# Altium PCB GBA_V1.PcbDoc (part 4 of 4)
Units mm, origin at the board's own origin, x right, y up, seen from the top; angles counter-clockwise.
Board outline 130.69 x 72.26 mm, 4 copper layers (Top Copper, Signal Layer 1, Signal Layer 2, Bottom Copper), stack 1.169 mm thick; 185 components, 167 nets, 812 pads, 417 vias.
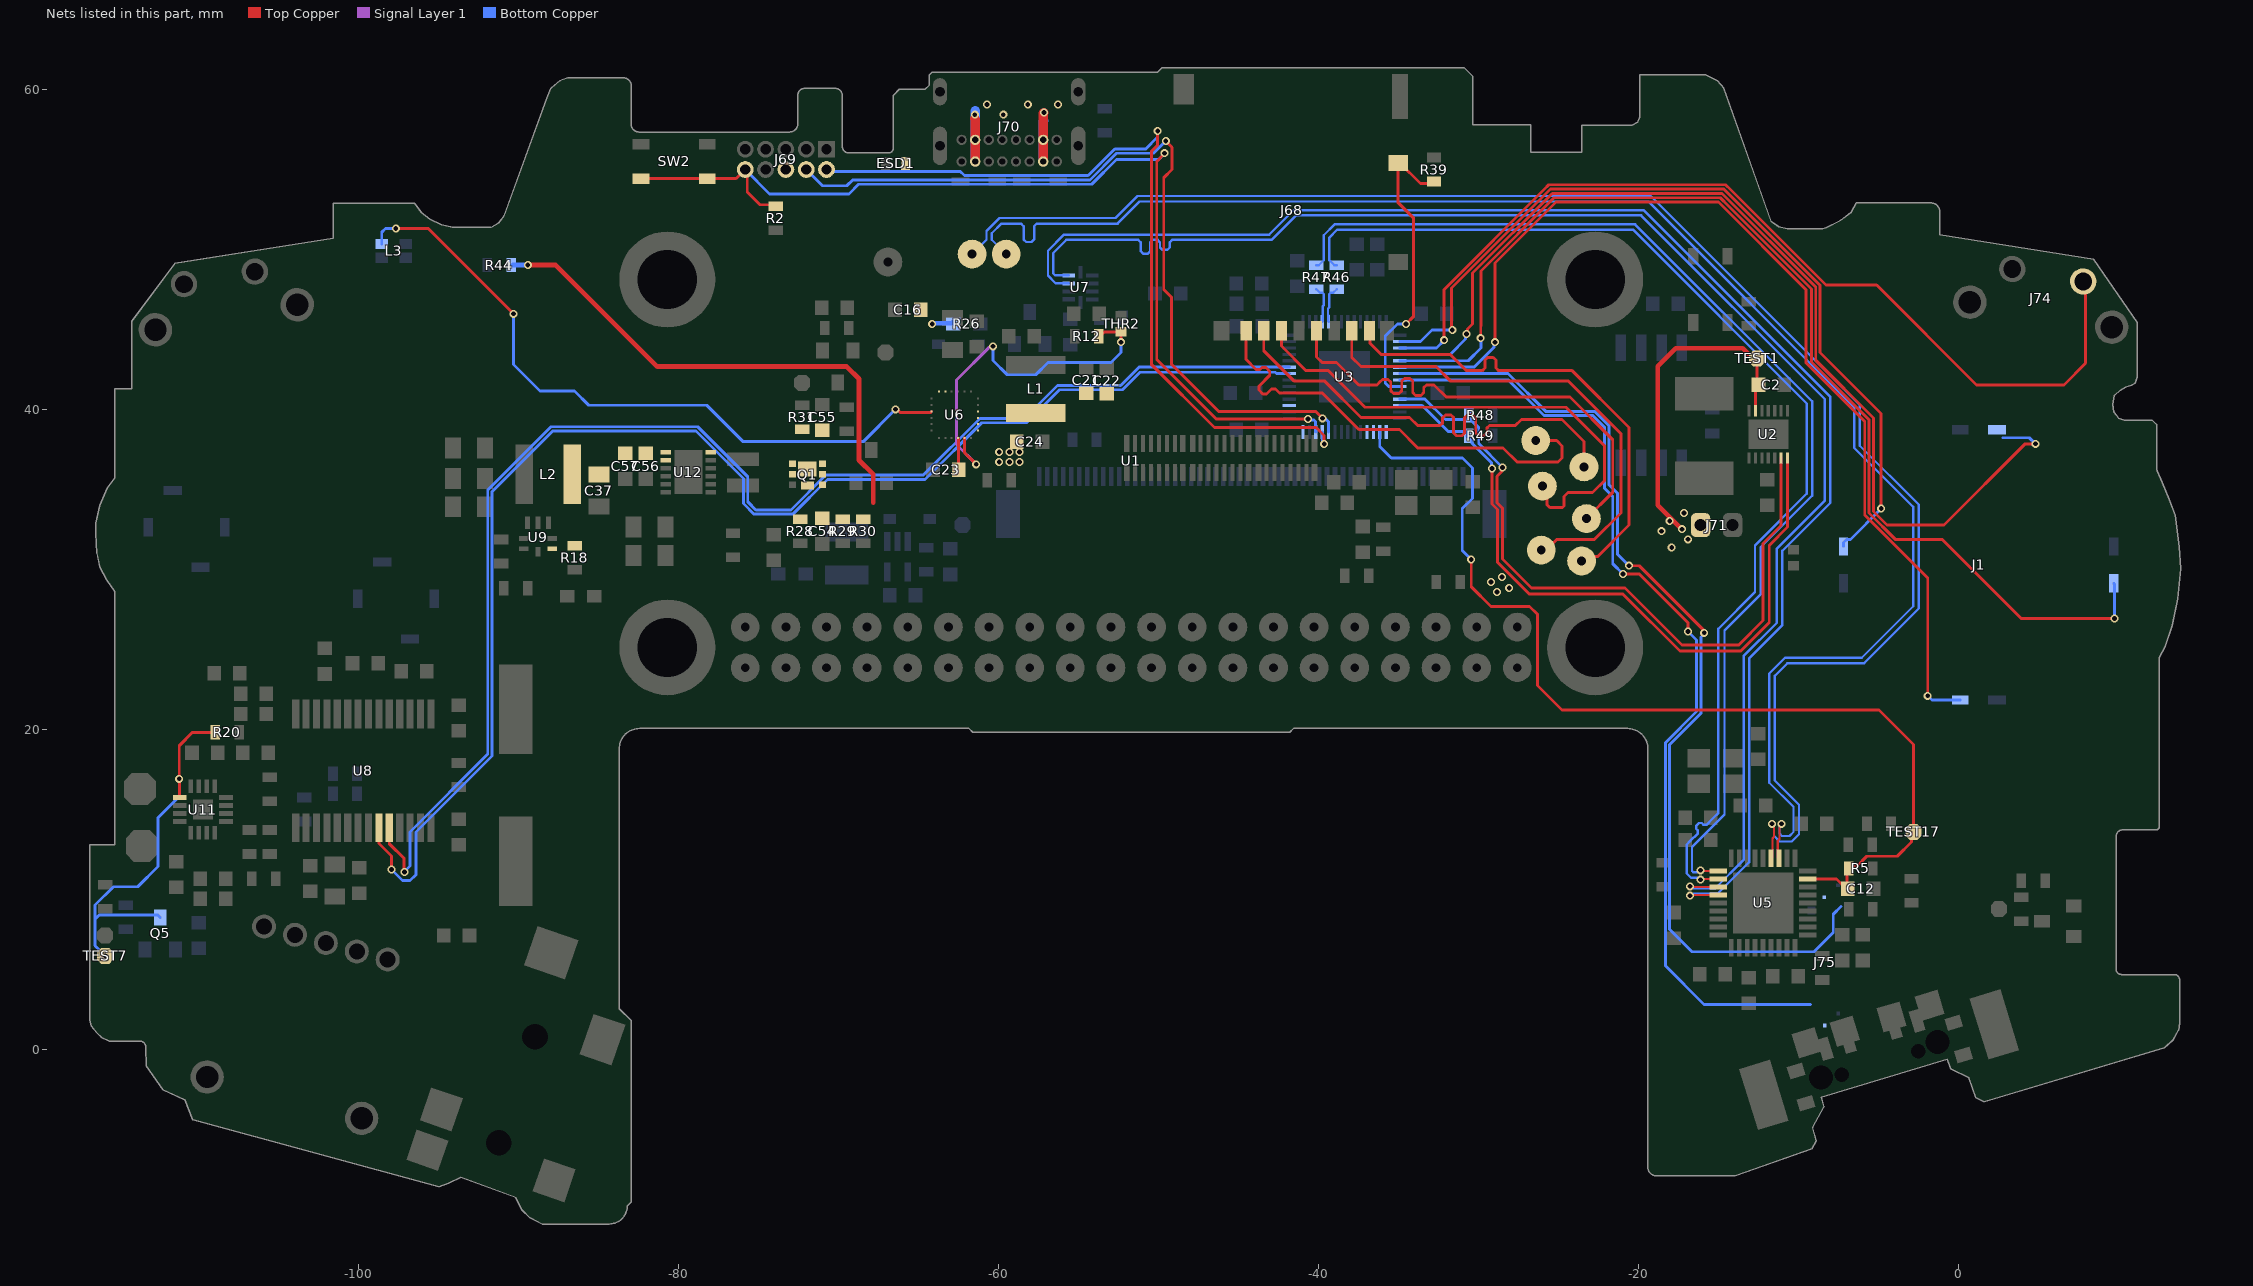
[diagram p6: the nets of this part, all layers, seen from the top]

## Via types
v1: diameter 0.5/0.5/0.5/0.5 (per signal layer), hole 0.3, Top Copper to Bottom Copper, tented both sides, 284 vias
v2: diameter 0.5, hole 0.3, Top Copper to Bottom Copper, tented both sides, 128 vias
v3: diameter 0.5/0.5/0.5/0.5 (per signal layer), hole 0.3, Top Copper to Bottom Copper, 5 vias

## Nets (pads, with @x,y where several pads share a name; then routed paths per layer and width w, separated by ;. In a path a pad name is that pad's centre, name@x,y a point inside that pad or via, vN(x,y) a via of type N, cw(c..) or ccw(c..) an arc to the next point about the centre after c; other vN are vias at no path point) (continued)
RPI_GPIO0: J1.RIGHT U3.2 | length 53.3
  Top Copper w0.18: v2(-31.623,44.958) -31.664,44.999 -31.664,47.587 -25.482,53.769 -14.65,53.769 -14.126,53.245 -8.636,47.755 -8.636,43.561 -4.826,39.751 -4.826,33.809 v1(-4.812,33.796)
  Bottom Copper w0.18: U3.2@-34.904,44.237 -33.614,44.237 -32.893,44.958 v2(-31.623,44.958) ; J1.RIGHT@-7.168,31.44 -7.168,31.677 -6.971,31.875 -6.733,31.875 v1(-4.812,33.796)
RPI_GPIO1: J74.SW U3.3 | length 59.7
  Top Copper w0.18: v2(-32.131,44.323) -32.131,47.501 -25.895,53.737 -25.593,54.039 -14.539,54.039 -14.237,53.737 -8.268,47.768 -5.096,47.768 1.143,41.529 6.604,41.529 7.963,42.888 J74.SW@7.963,47.84
  Bottom Copper w0.18: U3.3@-34.904,43.837 -32.617,43.837 v2(-32.131,44.323)
RPI_GPIO2: J1.UP U3.4 | length 65
  Top Copper w0.18: v2(-30.734,44.704) -30.673,44.765 -30.673,45.019 -30.353,45.339 -30.353,48.516 -25.37,53.499 -14.762,53.499 -8.906,47.643 -8.906,43.071 -5.302,39.467 -5.302,33.625 -4.443,32.766 -0.889,32.766 4.191,37.846 v1(4.826,37.846)
  Bottom Copper w0.18: U3.4@-34.904,43.437 -31.747,43.437 -30.795,44.389 -30.795,44.643 v2(-30.734,44.704) ; 2.794,38.227 4.445,38.227 v1(4.826,37.846)
RPI_GPIO3: J1.LEFT U3.5 | length 71
  Top Copper w0.18: v2(-29.845,44.45) -29.845,45.211 -29.83,45.226 -29.83,48.657 -25.258,53.229 -14.874,53.229 -14.35,52.705 -9.176,47.531 -9.176,42.959 -5.572,39.355 -5.572,33.513 -3.936,31.877 -1.016,31.877 3.937,26.924 v1(9.779,26.924)
  Bottom Copper w0.18: U3.5@-34.904,43.037 -30.623,43.037 -29.82,43.84 -29.82,44.425 v2(-29.845,44.45) ; J1.LEFT@9.72,29.128 9.779,29.069 v1(9.779,26.924)
RPI_GPIO4: J1.DOWN U3.6 | length 65.7
  Top Copper w0.18: v2(-28.956,44.196) -28.956,49.149 -25.146,52.959 -14.986,52.959 -9.525,47.498 -9.525,42.926 -5.842,39.243 -5.842,33.401 -1.905,29.464 v1(-1.905,22.098)
  Bottom Copper w0.18: U3.6@-34.904,42.637 -30.261,42.637 -29.017,43.881 -29.017,44.135 v2(-28.956,44.196) ; v1(-1.905,22.098) -1.64,21.833 J1.DOWN@0.127,21.833
RPI_GPIO5: J75.STR U3.7 | length 62.8
  Top Copper w0.18: v2(-20.574,30.226) -19.938,30.226 -15.936,26.224 -15.936,26.096 v1(-15.875,26.035)
  Bottom Copper w0.18: U3.7@-34.904,42.237 -28.139,42.237 -25.78,39.878 -22.733,39.878 -21.828,38.973 -21.828,35.29 -21.292,34.754 -21.292,30.944 v2(-20.574,30.226) ; v1(-15.875,26.035) -15.875,25.976 -16.081,25.77 -16.081,21.003 -18.034,19.05 -18.034,7.493 -16.637,6.096 -9.017,6.096 -7.811,7.302 -7.811,8.445 -7.328,8.928
RPI_GPIO6: J75.SEL U3.8 | length 61.5
  Top Copper w0.18: v2(-20.955,29.718) -19.939,29.718 -16.883,26.662 v1(-16.883,26.107)
  Bottom Copper w0.18: U3.8@-34.904,41.837 -28.121,41.837 -25.892,39.608 -22.845,39.608 -22.098,38.861 -22.098,35.052 -21.59,34.544 -21.59,30.353 v2(-20.955,29.718) ; v1(-16.883,26.107) -16.351,25.575 -16.351,21.115 -18.304,19.162 -18.304,5.223 -15.888,2.807 -10.195,2.807 -9.224,2.807
RPI_GPIO7: J68.9 R39.2 U3.9 | length 19
  Top Copper w0.18: v2(-34.513,45.339) -34.036,45.816 -34.036,51.943 -35.006,52.913 J68.9@-35.006,55.409 -34.906,55.409 -33.617,54.12 -32.787,54.12 R39.2@-32.766,54.141
  Bottom Copper w0.18: U3.9@-34.904,41.437 -35.595,41.437 -35.814,41.656 -35.814,44.577 -35.052,45.339 v2(-34.513,45.339)
RPI_GPIO8: R48.1 U2.13 U3.11 | length 44.7
  Top Copper w0.18: v2(-28.483,36.368) -28.545,36.306 -28.545,36.098 -28.829,35.814 -28.829,34.161 -28.483,33.815 -28.483,30.642 -26.67,28.829 -20.828,28.829 -17.272,25.273 -13.717,25.273 -12.192,26.798 -12.192,31.623 -11.068,32.747 U2.13@-11.068,36.957
  Bottom Copper w0.18: U3.11@-34.904,40.637 -33.321,40.637 -32.054,39.37 -30.805,39.37 -30.648,39.527 -30.595,39.58 R48.1@-30.595,39.624 ; R48.1@-30.598,39.477 -29.972,38.851 -29.972,37.856 v2(-28.483,36.368)
RPI_GPIO9: R49.1 U2.14 U3.12 | length 44.6
  Top Copper w0.18: v2(-29.144,36.295) -29.144,34.093 -28.788,33.737 -28.788,30.439 -26.797,28.448 -20.955,28.448 -17.399,24.892 -13.589,24.892 -11.811,26.67 -11.811,31.496 -10.668,32.639 U2.14@-10.668,36.957
  Bottom Copper w0.18: U3.12@-34.904,40.237 -33.506,40.237 -31.877,38.608 -30.805,38.608 -30.695,38.498 R49.1@-30.695,38.304 ; R49.1@-30.595,38.354 -30.385,38.144 -30.385,37.878 -29.161,36.654 -29.161,36.312 v2(-29.144,36.295)
RPI_GPIO12: U3.15
RPI_GPIO13: C12.1 R5.1 TEST17.1 U3.16 U5.26 | length 64.3
  Top Copper w0.18: v2(-30.439,30.607) -30.439,28.914 -29.203,27.678 -26.79,27.678 -26.305,27.193 -26.305,22.749 -24.765,21.209 -4.953,21.209 -2.794,19.05 TEST17.1@-2.794,13.589 -2.926,13.457 -2.926,12.949 -3.81,12.065 -5.715,12.065 -6.331,11.449 -6.8,11.449 -6.946,11.303 -6.946,10.033 -6.996,10.033 -7.607,10.644 U5.26@-9.392,10.644
  Bottom Copper w0.18: U3.16@-36.154,38.587 -36.154,37.678 -35.433,36.957 -30.988,36.957 -30.369,36.338 -30.369,34.433 -31.004,33.798 -31.004,31.172 v2(-30.439,30.607)
RPI_GPIO14: U3.17
RPI_GPIO15: U3.18
RPI_GPIO17: U3.28
RPI_GPIO20: U3.31
RPI_GPIO24: U3.36 U8.23 | length 89.1
  Top Copper w0.18: U8.23@-98.72,13.976 U8.23@-98.72,13.849 -98.72,12.868 -97.938,12.086 v1(-97.938,11.231)
  Bottom Copper w0.18: v1(-97.938,11.231) -97.248,10.541 -96.775,10.541 -96.407,10.909 -96.407,13.576 -91.646,18.337 -91.646,34.848 -87.854,38.64 -78.897,38.64 -75.93,35.673 -75.93,34.11 -75.269,33.449 -72.853,33.449 -70.678,35.624 -64.575,35.624 -61.036,39.163 -58.25,39.163 -56.185,41.228 -52.24,41.228 -51.145,42.323 -42.703,42.323 -42.617,42.237 U3.36@-41.804,42.237
RPI_GPIO25: U3.37 U8.24 | length 87.8
  Top Copper w0.18: U8.24@-98.07,13.976 U8.24@-98.07,13.849 -98.07,12.853 -97.155,11.938 -97.155,11.109 v1(-97.125,11.079)
  Bottom Copper w0.18: v1(-97.125,11.079) -97.125,11.112 -96.774,11.463 -96.774,13.591 -91.916,18.449 -91.916,34.96 -87.966,38.91 -78.785,38.91 -75.66,35.785 -75.66,34.222 -75.157,33.719 -72.965,33.719 -70.79,35.894 -64.687,35.894 -61.148,39.433 -58.362,39.433 -56.297,41.498 -52.352,41.498 -51.213,42.637 U3.37@-41.804,42.637
RPI_USB_N: U1.DM U5.30 | length 102.9
  Top Copper w0.14: U5.30@-11.192,11.944 -11.272,12.024 -11.272,13.041 -11.174,13.139 -11.174,13.972 v2(-11.049,14.097)
  Bottom Copper w0.14: -11.811,23.461 -11.811,16.665 -10.287,15.141 -10.287,13.589 -10.541,13.335 -11.028,13.335 -11.174,13.481 -11.174,13.875 -11.049,14 v2(-11.049,14.097)
  Bottom Copper w0.15: U1.DM@-59.509,49.702 -60.409,50.602 -60.409,51.011 -59.807,51.613 -59.318,51.613 -58.584,51.613 -58.42,51.449 -58.42,50.624 -58.256,50.46 -57.926,50.46 -57.762,50.624 -57.762,51.449 -57.598,51.613 -57.286,51.613 -52.544,51.613 -51.164,52.992 -19.362,52.992 -6.494,40.125 -6.494,37.585 -2.812,33.902 -2.812,27.693 -6.027,24.478 -10.819,24.478 -11.811,23.485 -11.811,23.461
RPI_USB_P: U1.DP U5.31 | length 103.2
  Top Copper w0.14: U5.31@-11.692,11.944 -11.612,12.024 -11.612,12.506 -11.612,13.182 -11.514,13.28 -11.514,13.972 v2(-11.639,14.097)
  Bottom Copper w0.14: v2(-11.639,14.097) -11.639,14 -11.514,13.875 -11.514,13.34 -11.169,12.995 -10.4,12.995 -9.947,13.448 -9.947,15.281 -11.471,16.805 -11.471,23.329 -11.466,23.334
  Bottom Copper w0.15: U1.DP@-61.639,49.702 -60.739,50.602 -60.739,51.148 -59.924,51.963 -52.681,51.963 -51.307,53.337 -19.219,53.337 -6.149,40.268 -6.149,37.728 -2.467,34.045 -2.467,27.55 -5.884,24.133 -10.676,24.133 -11.466,23.343 -11.466,23.334
RST_MCU: J69.10 R2.1 SW2.1 SW2.2 U3.26 | length 63
  Top Copper w0.18: SW2.2@-81.831,54.424 -76.386,54.424 J69.10@-75.819,54.991 -75.691,54.863 -75.691,53.593 -74.891,52.793 R2.1@-73.914,52.793 ; v1(-49.607,56.014) -49.607,55.985 -50.099,55.493 -50.099,43.114 -46.374,39.389 v2(-40.64,39.389)
  Bottom Copper w0.18: J69.10@-75.819,54.991 -74.295,53.467 -69.342,53.467 -68.739,54.07 -54.16,54.07 -52.604,55.626 -49.966,55.626 -49.607,55.985 v1(-49.607,56.014) ; v2(-40.64,39.389) -40.579,39.328 -40.269,39.328 -40.164,39.222 -40.164,38.597 U3.26@-40.154,38.587
SDX_CLK: J68.5 U1.CLK | length 30.8
  Top Copper w0.18: J68.5@-40.106,44.909 -40.106,43.281 -39.751,42.926 -38.862,42.926 -37.465,41.529 -36.607,41.529 -36.333,41.529 -36.161,41.701 -35.989,41.873 -35.645,41.873 -35.473,41.701 -35.473,41.168 -35.301,40.996 -34.957,40.996 -34.785,41.168 -34.785,41.767 -34.613,41.939 -34.269,41.939 -34.097,41.767 -34.097,41.046 -33.925,40.874 -33.581,40.874 -33.409,41.046 -33.409,41.357 -33.237,41.529 -33.147,41.529 -32.766,41.529 -32.004,40.767 -24.257,40.767 -21.59,38.1 -21.59,34.821 U1.CLK@-23.239,33.172
SDX_CMD: J68.3 U1.CMD | length 31.9
  Top Copper w0.18: J68.3@-42.306,44.909 -42.306,43.957 -40.767,42.418 -39.37,42.418 -37.084,40.132 -24.511,40.132 -22.098,37.719 -22.098,35.56 -22.86,34.798 -24.384,34.798 -24.638,34.544 -24.638,33.968 -24.743,33.863 -25.527,33.863 -25.696,34.032 -25.696,34.909 U1.CMD@-25.989,35.202
SDX_D0: J68.7 U1.DAT0 | length 31.4
  Top Copper w0.18: J68.7@-37.906,44.909 -37.906,43.24 -37.338,42.672 -32.639,42.672 -31.75,41.783 -24.384,41.783 -21.082,38.481 -21.082,33.528 -22.733,31.877 -25.079,31.877 -25.754,31.202 U1.DAT0@-26.059,31.202
SDX_D1: J68.8 U1.DAT1 | length 30.4
  Top Copper w0.18: J68.8@-36.806,44.909 -36.778,44.881 -36.778,44.144 -36.068,43.434 -31.75,43.434 -30.734,42.418 -29.845,42.418 -29.755,42.418 -29.583,42.59 -29.583,43.076 -29.411,43.248 -29.067,43.248 -28.895,43.076 -28.895,42.59 -28.723,42.418 -27.686,42.418 -24.13,42.418 -20.574,38.862 -20.574,32.766 -22.531,30.809 -23.252,30.809 U1.DAT1@-23.539,30.522
SDX_D2: J68.1 U1.DAT2 | length 28.9
  Top Copper w0.18: J68.1@-44.506,44.909 -44.506,43.886 -44.506,43.109 -43.888,42.491 -43.645,42.491 -43.52,42.616 -43.277,42.616 -43.034,42.373 -43.034,42.13 -43.715,41.449 -43.715,41.205 -43.472,40.962 -43.228,40.962 -42.915,41.275 -42.672,41.275 -42.608,41.212 -42.418,41.021 -39.751,41.021 -37.465,38.735 -34.925,38.735 -33.782,37.592 -28.448,37.592 -27.559,36.703 -25.019,36.703 -24.765,36.957 -24.765,37.719 -25.098,38.052 U1.DAT2@-26.409,38.052
SDX_D3: J68.2 U1.DAT3 | length 29.7
  Top Copper w0.18: J68.2@-43.406,44.909 -43.406,43.66 -41.529,41.783 -39.624,41.783 -37.338,39.497 -34.29,39.497 -33.782,38.989 -32.512,38.989 -32.396,38.989 -32.224,39.161 -32.224,39.476 -32.052,39.648 -31.708,39.648 -31.536,39.476 -31.536,38.523 -31.364,38.351 -31.02,38.351 -30.848,38.523 -30.848,39.476 -30.676,39.648 -30.332,39.648 -30.16,39.476 -30.16,38.523 -29.988,38.351 -29.644,38.351 -29.472,38.523 -29.472,38.817 -29.3,38.989 -29.21,38.989 -27.686,38.989 -27.305,39.37 -24.765,39.37 -23.389,37.994 U1.DAT3@-23.389,36.402
SHT_AMPLIFIER: Q5.3 R20.1 TEST7.1 U11.1 | length 24.5
  Top Copper w0.18: U11.1@-111.178,15.736 -111.178,16.883 v2(-111.2,16.905) -111.2,18.975 -110.363,19.812 R20.1@-108.954,19.812
  Bottom Copper w0.18: v2(-115.824,5.842) -116.459,6.477 -116.459,8.128 ; Q5.3@-112.387,8.239 -112.53,8.382 -116.205,8.382 -116.459,8.128 ; v2(-111.2,16.905) -111.2,15.8 -112.522,14.478 -112.522,11.43 -113.792,10.16 -115.316,10.16 -116.459,9.017 -116.459,8.128
STAT: L3.2 U6.3 | length 43.5
  Top Copper w0.18: v1(-97.663,51.308) -95.631,51.308 v1(-90.297,45.974) ; v1(-66.421,40.005) -66.334,40.005 -66.121,39.792 -64.251,39.792 U6.3@-64.172,39.871
  Bottom Copper w0.18: L3.2@-98.54,50.336 -98.54,51.066 -98.298,51.308 v1(-97.663,51.308) ; v1(-90.297,45.974) -90.297,42.799 -88.653,41.155 -86.494,41.155 -85.599,40.26 -78.225,40.26 -75.946,37.981 -68.445,37.981 v1(-66.421,40.005)
SW_DIO: J69.2 U3.25 | length 51
  Top Copper w0.18: v1(-50.038,57.393) -50.038,56.515 -50.435,56.118 -50.435,42.815 -46.482,38.862 -40.132,38.862 -39.633,38.363 v2(-39.633,37.83)
  Bottom Copper w0.18: J69.2@-70.739,54.991 -70.625,54.877 -62.374,54.877 -62.107,54.61 -54.384,54.61 -52.717,56.277 -50.784,56.277 -50.041,57.02 -50.041,57.39 v1(-50.038,57.393) ; U3.25@-39.754,38.587 -39.744,38.577 -39.744,38.028 -39.633,37.917 v2(-39.633,37.83)
SWD_CLK: J69.4 U3.24 | length 50.5
  Top Copper w0.18: v1(-49.53,56.769) -49.14,56.379 -49.14,55 -49.657,54.483 -49.657,47.498 -49.165,47.006 -49.165,42.815 -46.228,39.878 -40.165,39.878 -39.731,39.444 v2(-39.729,39.444)
  Bottom Copper w0.18: J69.4@-72.009,54.991 -70.993,53.975 -69.469,53.975 -69.104,54.34 -54.272,54.34 -52.605,56.007 -50.292,56.007 v1(-49.53,56.769) ; v2(-39.729,39.444) -39.667,39.382 -39.525,39.382 -39.364,39.222 -39.364,38.597 U3.24@-39.354,38.587
SWO: J69.6
TS: R12.1 THR2.1 U6.11 | length 23.4
  Top Copper w0.18: U6.11@-62.115,38.214 -62.107,38.206 -62.107,37.293 v2(-61.381,36.567) ; R12.1@-53.633,44.577 -53.371,44.839 THR2.1@-52.324,44.839 v2(-52.324,44.196)
  Signal Layer 1 w0.18: v2(-61.381,36.567) -62.611,37.797 -62.611,41.84 -60.571,43.881 -60.386,43.881 v2(-60.325,43.942)
  Bottom Copper w0.18: v2(-60.325,43.942) -60.335,43.932 -60.335,43.063 -59.436,42.164 -57.658,42.164 -56.896,42.926 -52.959,42.926 -52.324,43.561 v2(-52.324,44.196)
USB_D2_N: U5.3 U7.4 | length 95.3
  Top Copper w0.14: v2(-16.764,10.189) -16.719,10.144 U5.3@-14.992,10.144
  Bottom Copper w0.15: U7.4@-55.605,48.375 -56.446,48.375 -56.566,48.495 -56.566,49.774 -55.75,50.59 -51.93,50.59 -51.251,50.59 -51.1,50.439 -51.1,49.889 -50.949,49.738 -50.647,49.738 -50.496,49.889 -50.496,50.439 -50.345,50.59 -50.043,50.59 -49.892,50.439 -49.892,50.122 -49.741,49.971 -49.439,49.971 -49.288,50.122 -49.288,50.439 -49.137,50.59 -48.387,50.59 -42.923,50.59 -41.392,52.121 -19.822,52.121 -8.331,40.63 -8.331,34.3 -11.33,31.3 -11.33,26.657 -13.41,24.577 -13.41,11.836 -15.182,10.064 -16.542,10.064 -16.667,10.189 v2(-16.764,10.189)
USB_D2_P: U5.4 U7.3 | length 95.4
  Top Copper w0.14: v2(-16.764,9.599) -16.719,9.644 U5.4@-14.992,9.644
  Bottom Copper w0.15: U7.3@-55.605,47.875 -56.412,47.875 -56.896,48.359 -56.896,49.911 -55.887,50.92 -51.93,50.92 -43.06,50.92 -41.529,52.451 -19.671,52.451 -7.991,40.771 -7.991,34.159 -10.99,31.159 -10.99,26.516 -13.07,24.436 -13.07,14.732 -13.07,12.192 -13.07,11.695 -15.041,9.724 -16.542,9.724 -16.667,9.599 v2(-16.764,9.599)
USB_OUT_PICO_N: R47.1 U5.1 | length 71.7
  Top Copper w0.14: v2(-16.111,11.189) -16.066,11.144 U5.1@-14.992,11.144
  Bottom Copper w0.15: R47.1@-40.116,49.01 -39.966,49.01 -39.654,49.322 -39.654,50.884 -38.976,51.562 -20.193,51.562 -9.134,40.503 -9.134,34.595 -12.35,31.379 -12.35,28.43 -14.6,26.18 -14.605,26.175 -14.605,14.678 -15.086,14.197 -16.637,12.646 -16.637,11.146 -16.555,11.064 -16.334,11.064 -16.209,11.189 v2(-16.111,11.189)
USB_OUT_PICO_P: R46.1 U5.2 | length 71.7
  Top Copper w0.14: v2(-16.111,10.599) -16.066,10.644 U5.2@-14.992,10.644
  Bottom Copper w0.15: R46.1@-38.846,49.01 -38.996,49.01 -39.304,49.318 -39.304,50.739 -38.811,51.232 -20.33,51.232 -9.464,40.366 -9.464,34.732 -12.7,31.496 -12.7,28.575 -14.986,26.289 -14.986,14.777 -15.326,14.437 -15.736,14.028 -15.914,14.028 -16.03,14.144 -16.208,14.144 -16.386,13.966 -16.386,13.787 -16.27,13.671 -16.27,13.493 -16.755,13.009 -16.977,12.786 -16.977,11.005 -16.696,10.724 -16.334,10.724 -16.209,10.599 v2(-16.111,10.599)
USB_PICO_N: R47.2 U3.46 | length 2.4
  Bottom Copper w0.15: R47.2@-40.116,47.51 -39.891,47.285 -39.734,47.285 -39.646,47.197 -39.646,46.507 -39.719,46.434 -39.719,45.897 -39.729,45.887 -39.729,45.512 U3.46@-39.754,45.487
USB_PICO_P: R46.2 U3.47 | length 2.4
  Bottom Copper w0.15: U3.47@-39.354,45.487 -39.379,45.512 -39.379,45.887 -39.389,45.897 -39.389,46.297 -39.316,46.37 -39.316,47.197 -39.228,47.285 -39.071,47.285 R46.2@-38.846,47.51
V_BAT: C2.1 C24.1 J71.1 TEST1.1 U2.6 U6.13 U6.14 | length 21.1
  Top Copper w0.18: U2.6@-12.678,39.907 -12.678,41.385 -12.534,41.529 -12.573,41.568 TEST1.1@-12.573,43.18
  Top Copper w0.3: v1(-17.272,32.512) -18.777,34.017 -18.777,42.691 -17.653,43.815 -13.48,43.815 -13.033,43.368 -12.761,43.368 TEST1.1@-12.573,43.18
  other v1: -16.891,31.877 -18.034,33.02 -17.145,33.528 -59.944,36.703 -59.309,36.703 -58.674,36.703 -59.944,37.338 -59.309,37.338 -58.674,37.338
  other v2: -28.829,28.575 -28.067,28.829 -29.21,29.21 -28.524,29.515 -17.907,31.369 -18.542,32.385
V_SYS: C37.1 C55.1 C56.1 C57.1 L2.1 Q1.1 Q1.2 Q1.5 Q1.6 Q1.8 R18.2 R31.2 U9.1 U12.1 U12.2 U12.12
V_SYS_PRE: C21.1 C22.1 C54.2 L1.2 Q1.4 Q1.7 R28.2 R29.2 R30.2 R44.2 U6.15 U6.16 | length 32.7
  Top Copper w0.3: v1(-89.408,49.022) -87.666,49.022 -81.316,42.672 -69.469,42.672 -68.707,41.91 -68.707,36.83 -67.818,35.941 -67.818,34.163
  Bottom Copper w0.3: R44.2@-90.336,49.022 v1(-89.408,49.022)
V_USB: C16.2 ESD1.1 J70.A4 J70.A9 J70.B4 J70.B9 R26.2 U6.23 U6.24 | length 12.8
  Top Copper w0.6: -61.468,58.166 -61.446,58.144 J70.B9@-61.446,56.842 J70.A4@-61.446,55.492 ; J70.A9@-57.196,55.492 J70.B4@-57.196,56.842 -57.196,57.342 -57.186,57.351 -57.186,58.511 v1(-57.15,58.547)
  Bottom Copper w0.3: v2(-64.135,45.339) -64.097,45.377 -62.915,45.377 R26.2@-62.826,45.466
  Bottom Copper w0.6: J70.A4@-61.446,55.492 J70.B9@-61.446,56.842 v1@-61.446,58.652 ; J70.A9@-57.196,55.492 J70.B4@-57.196,56.842 -57.196,57.993 -57.15,58.039
  other v1: -61.468,58.42 -59.69,58.42 -60.706,59.055 -58.158,59.06 -56.261,59.055
VDD_CH: C23.1 U6.10 | length 2.1
  Top Copper w0.18: U6.10@-62.515,38.214 -62.48,38.179 C23.1@-62.48,36.229 ; C23.1@-62.388,36.316 C23.1@-62.285,36.213
pads on no net: FPC1.5 FPC1.6 FPC1.7 FPC1.39 FPC1.40 FPC1.43 FPC1.44 FPC1.45 FPC1.46 FPC1.47 FPC1.48 FPC1.49 FPC1.50 FPC1.51 FPC1.55 J68.11 J68.12 J68.13 J68.14 J69.7 J69.8 J70.A8 J70.B8 J72.MH1 J72.MH2 POT1.4 POT1.5 SW3.MH1 SW3.MH2 SW3.MP1 SW3.MP2 SW3.MP3 SW3.MP4 SW3.SH U1.1 U1.17 U1.SH U2.2 U2.3 U2.4 U2.5 U3.21 U5.8 U5.9 U5.11 U5.12 U5.13 U5.16 U5.17 U5.18 U5.19 U5.20 U5.21 U8.2 U8.3 U8.5 U8.27 U11.8 U13.2

## Polygon pours and split planes (outlines as drawn)
CSN on Top Copper "NONET_L-01_P-001" (solid, remove dead copper, pour order 60): 17.033,-16.393 16.779,-16.647 -120.127,-16.647 -123.302,-13.472 -123.302,57.267 -117.079,63.49 15.128,63.49 15.128,58.791 17.287,56.632
NetC19_2 on Top Copper "NONET_L-01_P-001" (solid, pour order 14): -55.894,42.023 -61.736,42.023 -62.013,41.746 -62.013,41.23 -62.115,41.129 -62.515,41.129 -62.616,41.23 -62.616,42.159 -62.103,42.672 -60.833,42.672 -59.813,43.692 -55.626,43.692 -55.626,42.291
NetC17_2 on Top Copper "NONET_L-01_P-001" (solid, pour order 15): -63.017,41.23 -62.915,41.128 -62.813,41.23 -62.813,42.597 -62.357,43.053 -60.833,43.053 -60.706,43.18 -60.706,44.196 -60.833,44.323 -63.5,44.323 -63.627,44.196 -63.627,42.418 -63.017,41.808
V_SYS_PRE on Top Copper "NONET_L-01_P-001" (solid, pour order 45): -56.261,40.386 -56.261,36.957 -58.547,34.671 -67.31,34.671 -70.358,34.671 -70.358,32.766 -69.723,32.766 -68.367,31.41 -53.71,31.41 -52.578,32.434 -52.578,39.624 -52.578,40.386
NetL2_2 on Top Copper "NONET_L-01_P-001" (solid, pour order 6): -89.154,32.512 -89.154,33.655 -89.408,33.909 -90.17,33.909 -90.297,34.036 -90.297,37.846 -90.17,37.973 -89.027,37.973 -88.9,37.846 -88.9,34.29 -88.519,33.909 -88.519,32.512 -88.646,32.385 -89.027,32.385
V_SYS on Top Copper "NONET_L-01_P-001" (solid, pour order 3): -70.612,35.687 -70.612,37.211 -70.358,37.465 -70.358,38.862 -70.952,39.456 -85.639,39.456 -87.376,37.719 -87.376,35.179 -84.328,35.179 -84.074,35.433 -84.074,36.322 -83.693,36.703 -80.391,36.703 -80.391,37.592 -78.359,37.592 -78.359,37.084 -78.295,37.021 -77.533,37.021 -77.47,37.084 -77.47,37.338 -77.216,37.592 -74.295,37.592 -73.406,36.703 -73.406,35.941 -73.152,35.687 -70.739,35.687
3V3_SYS on Top Copper "NONET_L-01_P-001" (solid, pour order 57): -40.005,37.338 -52.197,37.338 -52.451,37.592 -52.451,38.862 -51.943,39.37 -47.371,39.37 -46.482,38.481 -40.132,38.481 -40.005,38.354
V_USB on Top Copper "NONET_L-01_P-001" (solid, pour order 41): -55.626,57.658 -64.391,57.658 -64.41,51.475 -63.754,50.788 -63.754,42.597 -63.213,42.597 -63.213,40.426 -63.754,40.426 -65.659,41.391 -65.659,49.53 -66.167,50.038 -66.167,59.309 -65.786,59.69 -55.626,59.69
V_BAT on Top Copper "NONET_L-01_P-001" (solid, pour order 56): -15.367,31.012 -18.439,31.012 -19.05,31.623 -19.05,33.147 -18.288,33.909 -15.748,33.909 -15.367,33.528
5V_SYS on Top Copper "5V_SYS_L01_P051" (solid, pour order 51): -88.9,25.019 -88.138,25.781 -88.138,27.686 -89.154,28.194 -91.821,28.194 -91.948,28.321 -91.948,32.258 -92.329,32.639 -93.853,32.639 -94.869,31.623 -94.869,27.178 -92.71,25.019
V_SYS_PRE on Top Copper "NONET_L-01_P-001" (solid, pour order 13): -61.463,39.973 -59.976,39.973 -59.436,40.513 -56.134,40.513 -55.118,41.529 -52.832,41.529 -52.578,41.275 -52.578,39.116 -60.198,39.116 -60.452,39.37 -61.156,39.37 -61.258,39.472
V_BAT on Top Copper "NONET_L-01_P-001" (solid, pour order 18): -61.403,38.569 -61.214,38.38 -61.214,37.211 -60.325,36.322 -58.42,36.322 -58.293,36.449 -58.293,38.481 -58.801,38.989 -60.452,38.989 -60.636,39.173 -61.156,39.173 -61.258,39.071
CSN on Top Copper "NONET_L-01_P-001" (solid, pour order 34): -61.797,40.616 -61.817,40.635 -61.817,41.561 -61.595,41.783 -60.452,41.783 -60.198,41.529 -60.198,41.021 -60.65,40.569 -61.258,40.569
5V_SYS on Top Copper "NONET_L-01_P-001" (solid, pour order 5): -92.837,38.481 -92.837,32.385 -93.599,31.623 -93.599,30.861 -92.075,30.861 -91.821,31.115 -90.678,31.115 -90.424,31.369 -90.424,32.385 -89.281,32.385 -89.154,32.512 -89.154,33.274 -89.408,33.528 -90.424,33.528 -90.805,33.909 -90.805,38.481
CSN on Top Copper "NONET_L-01_P-001" (solid, remove dead copper, pour order 35): -93.599,40.64 -93.599,33.147 -93.726,33.02 -95.504,33.02 -95.758,33.274 -95.758,40.767 -95.631,40.894 -93.853,40.894
3V3_SYS on Top Copper "NONET_L-01_P-001" (solid, pour order 31): -77.597,35.052 -77.597,34.417 -79.248,32.766 -79.248,29.591 -79.502,29.337 -81.28,29.337 -81.534,29.591 -81.534,34.671 -81.153,35.052 -80.518,35.052
CSN on Top Copper "NONET_L-01_P-001" (solid, pour order 36): -18.034,39.878 -18.034,42.799 -17.907,42.926 -14.097,42.926 -13.97,42.799 -13.97,39.878
CSPL on Top Copper "NONET_L-01_P-001" (solid, remove dead copper, pour order 8): -13.208,31.75 -13.208,35.306 -13.97,36.068 -13.97,36.703 -14.097,36.83 -17.78,36.83 -17.907,36.703 -17.907,34.671 -17.653,34.417 -15.748,34.417 -14.986,33.655 -14.986,31.75
V_SYS_PRE on Top Copper "NONET_L-01_P-001" (solid, pour order 20): -67.945,32.766 -72.898,32.766 -73.152,33.02 -73.152,34.29 -72.39,35.052 -72.39,35.433 -70.358,35.433 -70.231,35.306 -70.231,34.925 -69.977,34.671 -68.326,34.671 -67.818,34.163 -67.818,33.147
NetL4_2 on Top Copper "NONET_L-01_P-001" (solid, pour order 33): -78.295,35.52 -78.295,35.076 -77.343,35.076 -76.92,34.653 -74.948,34.653 -74.803,34.798 -74.803,35.711 -74.93,35.838 -76.962,35.838 -77.279,35.52
CSN on Top Copper "NONET_L-01_P-001" (solid, pour order 37): -81.915,29.337 -81.915,34.544 -81.534,34.925 -81.534,36.068 -83.82,36.068 -83.82,35.306 -84.074,35.052 -84.074,34.925 -85.598,34.925 -85.725,34.798 -85.725,33.401 -85.471,33.147 -84.836,33.147 -84.455,32.766 -84.455,29.337 -84.201,28.956 -82.279,28.956
NetL4_1 on Top Copper "NONET_L-01_P-001" (solid, pour order 32): -78.295,37.021 -78.295,36.576 -77.343,36.576 -77.216,36.449 -74.93,36.449 -74.803,36.576 -74.803,37.211 -74.93,37.338 -76.962,37.338 -77.279,37.021
CSN on Top Copper "NONET_L-01_P-001" (solid, pour order 30): -88.138,31.75 -88.138,32.385 -88.265,32.512 -88.265,33.655 -88.519,33.909 -88.519,34.798 -87.63,34.798 -87.63,32.258 -87.503,32.131 -87.503,31.75
V_SYS on Top Copper "NONET_L-01_P-001" (solid, pour order 4): -87.376,37.719 -87.376,33.02 -87.249,32.893 -87.249,31.623 -87.376,31.496 -88.138,31.496 -88.265,31.369 -88.265,31.115 -88.138,30.988 -85.993,30.988 -85.849,31.132 -85.849,37.341 -84.963,38.227 -86.868,38.227
CSN on Bottom Copper "NONET_L-01_P-001" (solid, remove dead copper, pour order 72): 17.134,-13.984 15.737,-12.587 -119.645,-12.587 -119.645,-6.872 -122.82,-3.697 -121.804,-2.681 -121.804,63.74 -109.231,76.313 16.372,76.313 25.643,67.042
V_BAT on Bottom Copper "NONET_L-01_P-001" (solid, pour order 55): -15.367,28.702 -17.272,28.702 -17.78,29.21 -17.78,30.861 -17.526,31.115 -15.748,31.115 -15.367,30.734
V_BAT on Bottom Copper "NONET_L-01_P-001" (solid, pour order 67): -15.367,28.702 -17.018,27.051 -25.654,27.051 -28.98,27.051 -29.591,27.662 -29.591,30.226 -27.559,30.226 -26.416,29.083 -19.685,29.083 -18.923,29.718 -18.923,33.528 -17.907,33.984 -15.367,33.984
LED+ on Bottom Copper "NONET_L-01_P-001" (solid, pour order 61): -56.642,36.449 -56.642,33.147 -57.785,32.004 -62.614,32.004 -62.995,32.385 -62.995,33.02 -63.503,33.528 -64.9,33.528 -65.154,33.274 -65.154,32.512 -64.9,32.258 -64.265,32.258 -64.011,32.004 -64.011,30.734 -63.884,30.607 -57.51,30.607 -55.753,32.364 -55.753,36.449
LED- on Bottom Copper "NONET_L-01_P-001" (solid, pour order 59): -56.769,36.449 -57.658,36.449 -58.166,35.941 -60.833,35.941 -62.4,34.374 -65.194,34.374 -65.913,33.655 -65.913,30.734 -65.786,30.607 -64.008,30.607 -63.881,30.734 -63.881,32.004 -64.135,32.258 -64.77,32.258 -65.024,32.512 -65.024,33.404 -64.773,33.655 -61.722,33.655 -60.325,35.052 -56.769,35.052
NetD1_2 on Bottom Copper "NONET_L-01_P-001" (solid, pour order 63): -66.611,30.988 -66.611,32.258 -66.23,32.639 -66.23,33.592 -66.294,33.655 -67.246,33.655 -67.881,33.02 -70.993,33.02 -70.993,31.687 -70.675,31.369 -67.754,31.369 -67.246,30.861 -66.738,30.861
5V_SYS on Bottom Copper "NONET_L-01_P-001" (solid, pour order 62): -66.294,27.813 -66.294,28.702 -66.548,28.956 -66.548,30.226 -66.929,30.607 -70.485,30.607 -70.866,30.226 -70.866,28.448 -70.485,28.067 -67.691,28.067 -67.437,27.813
3V3_SYS on Bottom Copper "NONET_L-01_P-001" (solid, pour order 11): -40.382,44.969 -41.017,44.969 -41.017,44.715 -41.271,44.461 -43.699,44.461 -43.942,44.704 -43.942,48.387 -43.434,48.895 -42.164,48.895 -41.91,48.641 -41.91,47.386 -41.91,46.392 -41.176,45.972 -40.382,45.976 -40.382,45.858
V_USB on Bottom Copper "NONET_L-01_P-001" (solid, remove dead copper, pour order 16): -61.849,57.785 -61.849,58.674 -61.087,59.436 -55.749,59.436 -55.756,58.293 -56.261,58.293 -56.769,57.785 -57.785,57.785 -57.912,57.912 -60.706,57.912 -60.833,57.785
3V3_SYS on Signal Layer 1 "NONET_L-01_P-001" (solid, pour order 71): -120.964,62.694 -122.615,61.043 -122.615,-14.522 -119.313,-17.824 18.609,-17.824 23.943,-12.49 23.943,54.312 10.1,68.155 -32.953,68.155
CSN on Signal Layer 1 "NONET_L-01_P-001" (solid, pour order 68): -22.479,29.337 -27.051,29.337 -27.813,30.099 -27.813,35.56 -28.956,36.703 -34.544,36.703 -35.941,38.1 -38.1,38.1 -40.132,40.132 -42.926,40.132 -46.482,43.688 -48.514,43.688 -49.022,44.196 -49.022,45.847 -48.387,46.482 -36.068,46.482 -34.417,44.831 -34.417,44.196 -34.036,43.815 -22.733,43.815 -19.812,40.894 -19.812,32.004
V_BAT on Signal Layer 1 "NONET_L-01_P-001" (solid, pour order 69): -15.113,30.48 -18.669,26.924 -28.853,26.924 -29.615,27.686 -57.277,27.686 -61.214,31.623 -61.214,37.592 -60.579,38.227 -57.785,38.227 -56.896,37.338 -56.896,34.544 -55.372,33.02 -31.242,33.02 -27.432,29.21 -22.733,29.21 -18.034,34.544 -15.113,34.544
CSN on Signal Layer 1 "NONET_L-01_P-001" (solid, pour order 70): -115.062,26.289 -88.011,26.289 -80.645,18.923 -80.645,-10.922 -83.566,-13.843 -84.709,-12.7 -121.285,-12.7 -121.285,22.606 -120.015,23.876
5V_SYS on Signal Layer 1 "NONET_L-01_P-001" (solid, pour order 66): -67.945,27.813 -78.994,27.813 -82.262,24.545 -89.315,24.545 -90.043,25.273 -90.043,28.829 -88.646,30.226 -84.201,30.226 -83.82,29.845 -75.184,29.845 -68.453,29.845 -67.945,29.337
5V_SYS on Signal Layer 1 "NONET_L-01_P-001" (solid, pour order 52): -31.115,25.146 -26.416,25.146 -26.035,24.765 -26.035,21.336 -27.178,20.193 -83.947,20.193 -89.518,25.764 -85.97,28.058 -80.391,22.479 -31.623,22.479 -31.242,22.86 -31.242,24.765
CSN on Signal Layer 1 "NONET_L-01_P-001" (solid, pour order 27): -51.562,52.578 -51.562,46.228 -64.135,46.228 -64.135,49.403 -64.135,58.039 -54.102,58.039 -52.324,52.578
CSN on Signal Layer 1 "NONET_L-01_P-001" (solid, pour order 28): -7.013,15.24 -7.013,5.238 -7.425,4.826 -17.399,4.826 -17.907,5.334 -17.907,14.859 -17.526,15.24
CSN on Signal Layer 1 "NONET_L-01_P-001" (solid, pour order 29): -99.06,17.399 -102.108,17.399 -102.997,18.288 -102.997,22.86 -102.616,23.241 -98.298,23.241 -97.917,22.86 -97.917,18.034
CSN on Signal Layer 2 "NONET_L-01_P-001" (solid, pour order 53): -127.306,68.781 -124.512,65.987 -124.512,-16.944 18.363,-16.944 20.522,-14.785 20.522,57.605 8.076,70.051 -97.588,70.051
5V_SYS on Signal Layer 2 "NONET_L-01_P-001" (solid, pour order 1): -31.115,25.146 -26.416,25.146 -26.035,24.765 -26.035,21.336 -27.178,20.193 -83.058,20.193 -88.011,25.146 -90.156,25.146 -90.156,27.905 -86.511,27.964 -84.201,25.654 -81.026,22.479 -31.623,22.479 -31.242,22.86 -31.242,24.765
V_BAT on Signal Layer 2 "V_BAT" (solid, pour order 50): -15.367,28.702 -17.272,28.702 -17.78,29.21 -17.78,30.861 -17.526,31.115 -15.748,31.115 -15.367,30.734

## Other copper
Top Copper:
  pour cut-out: -94.869,27.178 -92.71,25.019 -88.9,25.019 -88.138,25.781 -88.138,26.162 -88.011,26.289 -84.558,26.289 -84.558,24.789 -84.836,24.511 -92.837,24.511 -94.615,26.289
  pour cut-out: -81.664,29.591 -85.979,29.591 -85.979,29.972 -81.661,29.972
  pour cut-out: -55.626,41.021 -56.134,40.513 -59.436,40.513 -59.436,41.981 -59.383,42.034 -55.753,42.034 -55.753,42.164 -55.626,42.291
  pour cut-out: -52.13,37.338 -52.163,37.305 -52.578,37.305 -52.578,37.465 -52.451,37.592
  pour cut-out: -35.965,30.074 -38.354,27.684 -38.354,32.907 -38.086,32.639 -35.901,32.639
  pour cut-out: -40.506,51.659 -45.593,51.659 -45.593,44.412 -40.506,44.126
  pour cut-out: -35.052,58.23 -35.052,43.953 -36.15,43.953 -36.15,58.23
  pour cut-out: -36.157,44.144 -44.971,44.144 -44.971,51.653 -36.157,51.653
  pour cut-out: -107.667,26.797 -94.615,26.797 -94.107,26.289 -107.667,26.289
  pour cut-out: -44.976,45.629 -44.976,40.912 -44.45,40.386 -44.363,40.473 -39.789,40.473 -37.543,38.227 -35.243,38.227 -33.973,36.957 -28.597,36.957 -27.178,35.538 -27.178,30.226 -26.376,29.424 -22.265,29.424 -19.812,31.877 -19.812,39.243 -24.522,43.953 -35.825,43.953 -36.336,44.464 -36.336,45.629
  pour cut-out: -94.122,32.37 -93.853,32.639 -95.383,32.645 -95.504,32.766 -95.504,38.233 -95.256,38.481 -86.741,38.481 -86.338,38.735 -95.416,38.735 -95.758,38.393 -95.758,32.385
  pour cut-out: -64.643,28.956 -64.643,28.194 -64.008,28.194 -63.881,28.067 -63.5,28.448 -63.5,28.829 -63.754,29.083
  pour cut-out: -115.062,26.797 -107.315,26.797 -107.315,26.289 -115.062,26.289
  pour cut-out: -88.011,26.797 -84.328,26.797 -84.328,26.289 -88.011,26.289
  pour cut-out: -26.162,25.138 -31.077,25.138 -31.011,21.304 -32.897,19.812 -75.946,19.812 -77.597,21.463 -77.597,27.305 -77.089,27.813 -26.797,27.813 -26.289,27.305
  pour cut-out: -42.554,34.172 -42.436,34.29 -41.783,34.29 -41.783,36.576 -42.037,36.83 -42.545,36.83
  pour cut-out: -63.701,38.496 -61.817,38.496 -61.582,38.731 -61.582,40.326 -63.694,40.326 -63.724,40.357 -63.876,40.205 -63.876,38.988
  pour cut-out: -88.9,34.925 -87.376,34.925 -87.63,35.179 -88.9,35.179
  pour cut-out: -77.533,36.446 -77.597,36.382 -77.597,35.56 -77.319,35.838 -74.93,35.838 -74.93,36.449 -77.216,36.449
  pour cut-out: -13.716,39.878 -13.208,40.386 -12.827,40.386 -12.7,40.259 -12.7,39.624 -12.827,39.497 -12.827,39.37 -12.954,39.37 -12.954,37.465 -13.462,37.465 -14.097,36.83 -18.542,36.83 -18.669,36.957 -18.669,39.878
Signal Layer 1:
  pour cut-out: -115.062,26.797 -102.489,26.797 -102.489,26.289 -115.062,26.289
  pour cut-out: -102.489,26.797 -90.156,26.797 -90.156,26.289 -102.489,26.289
Signal Layer 2:
  pour cut-out: -61.722,33.655 -61.722,32.004 -62.103,32.004 -62.103,33.655
  pour cut-out: -61.722,27.439 -61.722,30.734 -62.103,30.734 -62.103,27.439
  pour cut-out: -61.722,27.813 -71.374,27.813 -71.374,27.432 -61.722,27.432
  pour cut-out: -63.754,34.036 -71.374,34.036 -71.374,34.417 -63.754,34.417
  pour cut-out: -71.374,29.337 -71.374,34.036 -70.993,34.036 -70.993,29.337
  pour cut-out: -57.404,34.798 -52.578,34.798 -52.578,34.417 -57.404,34.417
  pour cut-out: -52.578,45.085 -52.578,34.798 -52.959,34.798 -52.959,45.085
  pour cut-out: -63.563,45.085 -52.959,45.085 -52.959,44.704 -63.563,44.704
  pour cut-out: -67.31,34.798 -67.31,45.085 -66.929,45.085 -66.929,34.798
  pour cut-out: -67.31,34.798 -60.833,34.798 -60.833,34.417 -67.31,34.417
  pour cut-out: -78.105,34.417 -78.105,37.592 -77.724,37.592 -77.724,34.417
  pour cut-out: -79.248,38.989 -96.266,38.989 -96.266,39.37 -79.248,39.37
  pour cut-out: -92.456,28.702 -77.724,28.702 -77.724,28.321 -92.456,28.321
  pour cut-out: -77.724,31.623 -77.724,28.321 -78.105,28.321 -78.105,31.623
  pour cut-out: -95.885,39.243 -95.885,29.083 -96.266,29.083 -96.266,39.243
  pour cut-out: -102.489,26.797 -90.156,26.797 -90.156,26.289 -102.489,26.289
  pour cut-out: -115.062,26.797 -103.886,26.797 -103.886,26.289 -115.062,26.289
Bottom Copper:
  pour cut-out: -12.576,-3.549 -8.831,-3.549 -8.232,-4.148 -6.35,-4.148 -5.453,-3.251 -5.453,-2.538 -4.925,-2.055 -4.327,-1.389 -3.891,-0.654 -3.546,0.334 -3.431,1.253 -3.431,4.011 -3.408,4.033 -3.408,9.755 -3.569,10.743 -3.822,11.524 -4.419,12.443 -5.177,13.316 -6.119,13.96 -7.314,14.419 -8.118,14.511 -12.714,14.511 ccw(c-12.714,13.638) -13.587,13.638 -13.587,-2.538 ccw(c-12.576,-2.538)
  pour cut-out: -114.708,26.506 -115.664,27.158 -115.702,27.198 -116.035,27.198 -116.08,27.217 -117.012,28.149 -117.031,28.194 -117.031,38.893 -117.012,38.938 -115.715,40.235 cw(c-115.592,40.267) -115.645,40.383 -111.417,42.313 cw(c-111.365,42.197) -111.252,42.256 -110.064,39.991 -109.269,39.852 -107.959,41.095 -107.945,41.106 -107.555,41.382 -107.508,41.402 -107.186,41.471 -107.083,41.448 -106.784,41.218 -106.772,41.207 -103.588,38.069 -103.357,37.921 -103.262,38.005 -103.158,38.192 -103.136,38.22 -102.356,39.001 -102.333,39.019 -101.598,39.479 -101.543,39.497 -100.464,39.612 -100.428,39.611 -99.532,39.45 -99.488,39.433 -98.662,38.928 -98.626,38.896 -98.14,38.255 -91.114,34.937 -91.087,34.919 -90.697,34.598 -90.651,34.512 -90.605,34.053 -90.617,33.986 -91.53,32.071 -91.081,31.301 -91.074,31.288 -90.684,30.392 -90.676,30.369 -90.378,29.013 -90.375,28.992 -90.283,27.154 -90.286,27.118 -90.608,25.763 -90.617,25.736 -91.077,24.794 -91.083,24.782 -91.484,24.15 -90.569,22.075 -90.562,21.995 -90.654,21.604 -90.709,21.526 -91.283,21.159 -91.3,21.15 -97.09,18.553 cw(c-97.142,18.669) -97.255,18.611 -98.395,20.847 -98.722,20.88 -100.356,19.044 cw(c-100.45,19.128) -100.531,19.03 -106.193,23.661 -106.52,23.804 -114.19,23.758 -114.239,23.767 -114.63,23.928 cw(c-114.581,24.046) -114.708,24.046
  pour cut-out: -90.156,26.289 -90.156,25.019 -88.068,25.019 -83.114,20.066 -83.34,19.84 -88.265,24.765 -91.223,24.765 -91.223,26.289
  pour cut-out: -40.816,49.56 -40.816,47.957 -40.894,47.879 -40.386,47.879 -40.386,49.403 -40.259,49.53
  pour cut-out: -28.881,25.138 -31.408,25.138 -31.338,21.045 -32.897,19.812 -75.946,19.812 -77.597,21.463 -77.597,27.305 -77.089,27.813 -28.926,27.813
  pour cut-out: -90.678,26.797 -90.156,26.797 -90.156,26.289 -90.678,26.289
  pour cut-out: -34.513,45.489 -34.513,45.189 -37.083,45.189 -37.083,45.489
  pour cut-out: -41.243,44.033 -41.193,44.083 -41.193,44.969 -40.84,44.969 -40.813,44.942 -35.525,44.942 -35.433,44.85 -35.433,39.224 -35.525,39.132 -38.379,39.132 -38.383,39.136 -41.184,39.136 -41.193,39.127 -41.243,39.176 -41.243,41.773
  pour cut-out: -11.614,26.049 -12.097,27.933 -12.258,29.657 -12.235,31.472 -12.005,33.31 -11.431,34.987 -10.833,36.389 -10.19,37.607 -9.408,38.572 -8.512,39.675 -7.272,40.732 -6.008,41.697 -4.537,42.432 -2.906,43.098 -1.527,43.443 -0.402,43.604 0.747,43.696 1.781,43.719 3.459,43.489 5.688,43.489 6.308,42.869 10.444,41.72 12.382,41.72 15.494,38.608 15.494,25.677 12.489,22.671 11.478,21.408 10.214,20.19 8.996,19.271 7.755,18.49 6.492,17.869 5.756,17.548 3.528,14.446 2.976,14.009 2.264,13.756 1.804,13.756 1.115,13.986 0.564,14.285 -7.249,19.73 -8.329,20.764 -9.408,21.982 -10.305,23.223 -10.948,24.487

## Silkscreen, mask and mechanical layers (free items; w line width, h text height)
Top Overlay:
  drawing of 51 lines, arcs and shapes, not listed
  text "RST" at -88.773,55.118 h2.54
  text "BSEL" at -17.653,50.292 h2.54
  text "VBAT" at -11.557,48.641 h2.54 r270
  text "V1.3" at 5.207,33.02 h2
  text "+" at -113.157,17.574 h2
  text "RST" at -2.032,13.208 h1
  text "-" at -111.887,12.57 h2
  text "SENSE" at -114.808,6.858 h1
  text "SHT" at -114.808,5.588 h1
Bottom Overlay:
  lines w0.127: -99.187,48.895 -96.012,48.895 -96.012,50.927 -96.393,51.308 -99.187,51.308 -99.187,48.895
Top 3D Body:
  lines w0: -86.596,-11.664 cw(c-86.467,-12.155) -86.469,-11.647
Bottom 3D Body:
  drawing of 28819 lines, arcs and shapes, not listed
Route Tool Path:
  circle w1.016: c135.491,238.477 r2.692
  lines w0: -13.294,-10.648 -12.113,-10.959 ccw(c-11.984,-10.468) -11.708,-10.894 -9.736,-9.617
Dimensions:
  drawing of 174 lines, arcs and shapes, not listed

## Text inside footprints (layer, text, board x,y; h text height)
FPC1: Bottom Overlay "TOP CONTACT" at -49.465,37.854 h1 r180; Bottom Overlay "1" at -60.274,36.13 h1 r180; Bottom Overlay "54" at -30.734,37.211 h1 r180
J70: Mechanical 16 ">PCB Edge" at -53.621,61.592 h1.57 r180
J71: Top Overlay "-" at -14.497,34.666 h0.8 r270; Top Overlay "+" at -16.522,34.666 h0.8 r270
R19: Mechanical 13 "*" at -47.217,36.093 h1.27 r90
R34: Mechanical 13 "*" at -51.331,36.093 h1.27 r90
R41: Mechanical 13 "*" at -43.103,36.093 h1.27 r90
SW3: Top Overlay "C" at -7.751,3.05 h2 r17; Top Overlay "1" at -1.799,4.869 h2 r17; Top Overlay "C" at -4.836,3.941 h2 r17; Top Overlay "2" at -10.787,2.121 h2 r17
TVS1: Top Assembly "K" at -62.827,53.886 h1
TVS2: Top Assembly "K" at -55.784,54.572 h1 r180
U6: Top Overlay "1" at -65.001,40.814 h1